# Altium PCB 0422.PcbDoc (part 1 of 3) (continued)
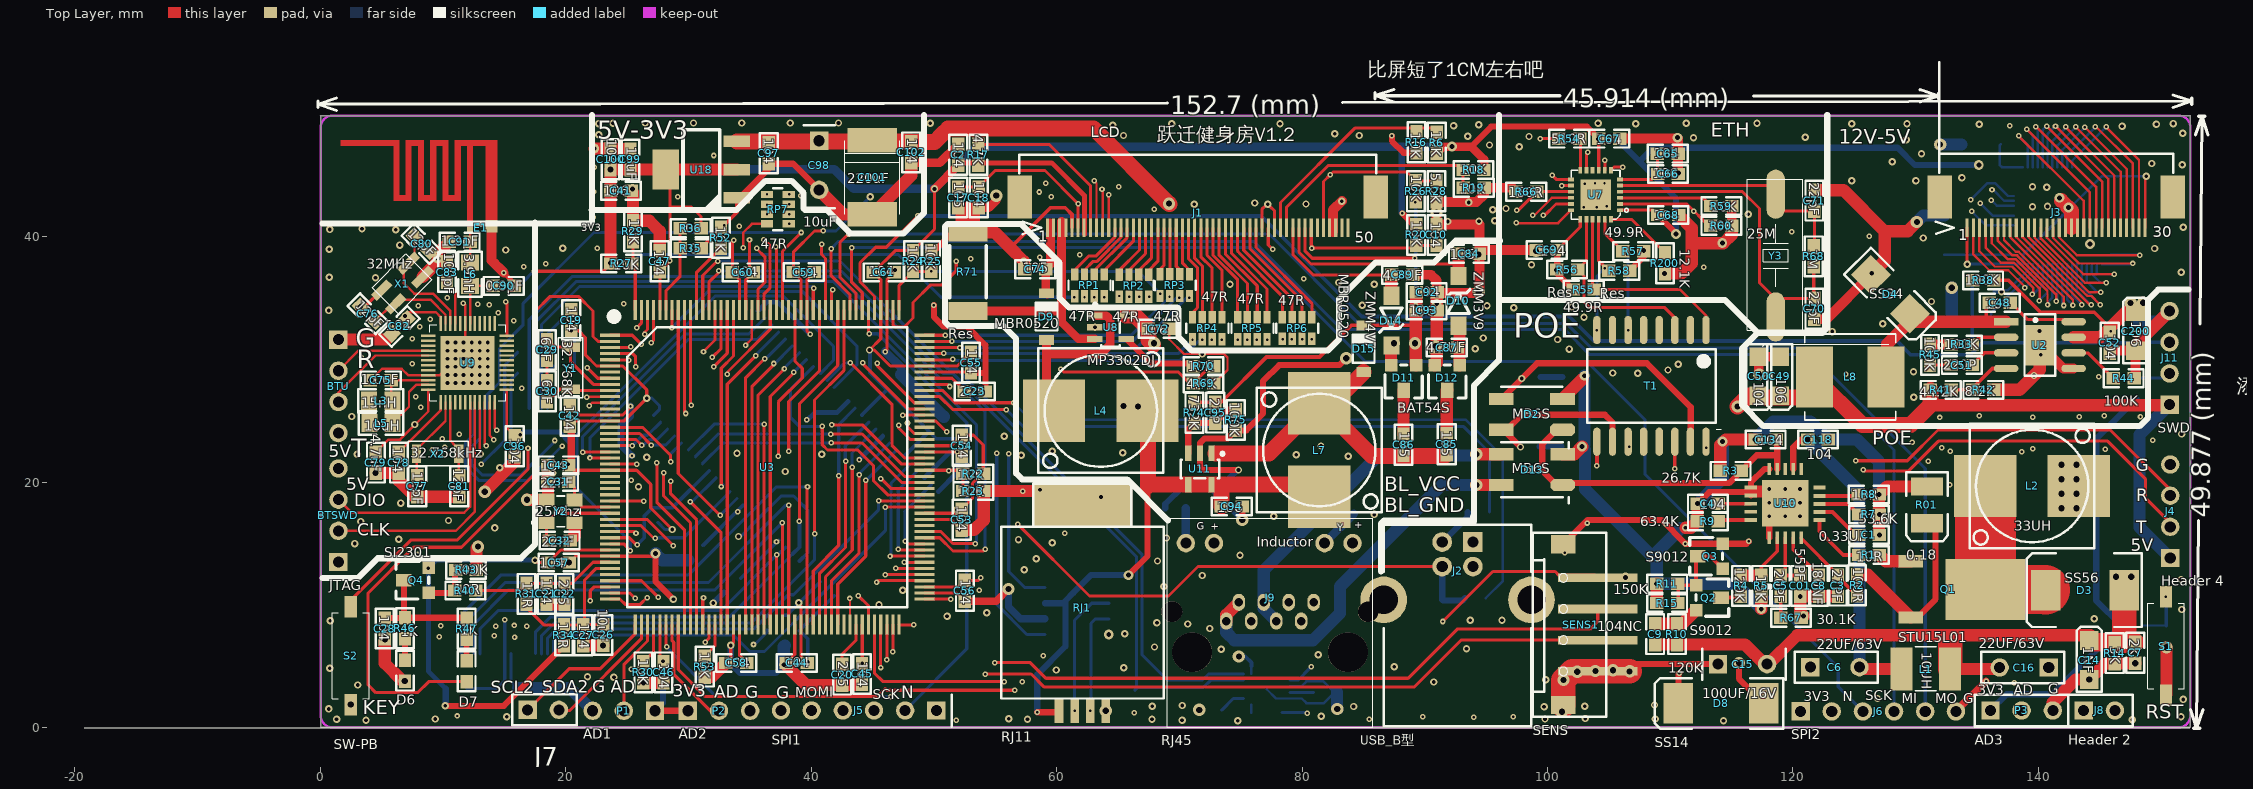
[diagram p0: Top Layer view]
## Footprints (in the part's own frame and the unit in brackets; to place one, negate y for a bottom-side part, rotate by r counter-clockwise, add the part's x,y. Pads: shape width x height; smd on the part's side, far side on the other; paste and mask are expansions set on the pad)
3.5X2.8X1.9 [mm] "SM LED; 2 C-Bend Leads; Body 3.5 x 2.8 x 1.9 mm, inc leads (LxWxH typ)"
  rect 1.5x2.6 smd: 1(-1.5,0) 2(1.5,0)
  silkscreen extent -2.65,-1.7 2.95,1.7
4*4电感 [mm]
  rect 1.8x3.5 smd: 1(-1.981,0) 2(1.981,0)
  silkscreen extent -0.84,-1.78 0.84,1.8
6*6电感 [mm]
  rect 3x5 smd: 1(-2.921,0) 2(2.921,0)
  silkscreen extent -3.71,-3.51 3.71,3.51
8P4R_0603 [mm]
  rect 1.016x0.6 smd: 1(0,0) 2(1.778,0) 3(0,-0.8) 4(1.778,-0.8) 5(0,-1.6) 6(1.778,-1.6) 7(0,-2.4) 8(1.778,-2.4)
  silkscreen extent 0.51,-2.92 1.27,0.51
0603T [mm]
  rect 1.1x1 smd: 1(0,0) 2(1.7,0)
  silkscreen extent -0.77,-0.72 2.47,0.72
1206 [mil]
  rect 60x60 smd: 1(-65,0) 2(60,0)
  silkscreen extent -105,-40 105,40
2512公制6432 [mm]
  rect 1.5x3.2 smd: 1(0,0) 2(6.4,0)
  silkscreen extent 1.1,-1.5 5.3,1.5
3215贴片晶振32.768K [mm]
  rect 0.75x1.5 smd: 1(0,0) 2(3.429,0)
  silkscreen extent -0.7,-1 4.19,1
3225晶振贴片 [mm]
  rect 2x0.7 smd: 1(1.6,0.8) 4(1.6,-0.8)
  rect 1.8x0.7 smd: 2(-1.5,0.8) 3(-1.5,-0.8)
  silkscreen extent -1.9,-1.5 2,1.5
7343E型 [mm]
  rect 2x4 smd: 1(-3.05,0) 2(3,0)
  silkscreen extent -3,-2.25 3,2.25
ANT2.4G2 [mm]
  rect 0.5x0.5 smd: 1(0,0)
  rect 1x1 smd paste+0 mask+0: 2(0.25,-1.75)
  Top Layer region: 6.8,5.75 7.3,5.75 7.3,10.55 6.8,10.55
  Top Layer region: 2.3,5 2.8,5 2.8,6 2.3,6
  Top Layer region: 6.8,3.75 7.3,3.75 7.3,5.25 6.8,5.25
  Top Layer region: 2.3,3 2.8,3 2.8,4 2.3,4
  Top Layer region: 6.8,1.75 7.3,1.75 7.3,3.25 6.8,3.25
  Top Layer region: 2.3,1 2.8,1 2.8,2 2.3,2
  Top Layer region: 0.75,-2.25 7.3,-2.25 7.3,-1.25 0.75,-1.25
  Top Layer region: 0.2,-0.25 7,-0.25 7,0.25 0.2,0.25
  Top Layer region: 6.8,-1.5 7.3,-1.5 7.3,1.25 6.8,1.25
  Top Layer region: 2.3,0.75 7,0.75 7,1.25 2.3,1.25
  Top Layer region: 2.3,1.75 7,1.75 7,2.25 2.3,2.25
  Top Layer region: 2.3,2.75 7,2.75 7,3.25 2.3,3.25
  Top Layer region: 2.3,3.75 7,3.75 7,4.25 2.3,4.25
  Top Layer region: 2.3,4.75 7,4.75 7,5.25 2.3,5.25
  Top Layer region: 2.3,5.75 7,5.75 7,6.25 2.3,6.25
CAN接口 [mm]
  rect 0.7x2 smd: 1(-1.905,-8) 2(-0.635,-8) 3(0.635,-8) 4(1.905,-8)
  rect 8x3.5 smd: 5(0.072,8.824)
  silkscreen extent -6.62,-7 6.63,10.5
CAP-SIP [mm]
  rect 1.5x1.5 hole 0.9: 1(0,0)
  round 1.5 hole 0.9: 2(4,0)
  silkscreen extent -1.27,-1.27 5.5,1.27
CL-0805 [mm]
  rect 1.3x1.5 smd: 1(-0.95,0) 2(0.95,0)
  silkscreen extent -1.82,-0.97 1.82,0.97
DIODE_ZMMx [mm]
  rect 1.5x1.3 smd: 1(-2.032,0) 2(2.032,0)
  silkscreen extent -1.02,-0.95 0.95,0.95
FPC-TOP30 [mm]
  rect 0.25x1.5 smd: 1(0.003,0) 2(0.503,0) 3(1.003,0) 4(1.503,0) 5(2.003,0) 6(2.503,0) 7(3.003,0) 8(3.503,0) 9(4.003,0) 10(4.503,0) 11(5.003,0) 12(5.503,0) 13(6.003,0) 14(6.503,0) 15(7.003,0) 16(7.503,0) 17(8.003,0) 18(8.503,0) 19(9.003,0) 20(9.503,0) 21(10.003,0) 22(10.503,0) 23(11.003,0) 24(11.503,0) 25(12.003,0) 26(12.503,0) 27(13.003,0) 28(13.503,0) 29(14.003,0) 30(14.503,0)
  rect 2x3.5 smd: A(-2.25,2.5) B(16.768,2.5)
  silkscreen extent -2.54,-0.5 16.81,6
FPC-TOP50 [mm]
  rect 0.25x1.5 smd: 1(0,0) 2(0.5,0) 3(1,0) 4(1.5,0) 5(2,0) 6(2.5,0) 7(3,0) 8(3.5,0) 9(4,0) 10(4.5,0) 11(5,0) 12(5.5,0) 13(6,0) 14(6.5,0) 15(7,0) 16(7.5,0) 17(8,0) 18(8.5,0) 19(9,0) 20(9.5,0) 21(10,0) 22(10.5,0) 23(11,0) 24(11.5,0) 25(12,0) 26(12.5,0) 27(13,0) 28(13.5,0) 29(14,0) 30(14.5,0) 31(15,0) 32(15.5,0) 33(16,0) 34(16.5,0) 35(17,0) 36(17.5,0) 37(18,0) 38(18.5,0) 39(19,0) 40(19.5,0) 41(20,0) 42(20.5,0) 43(21,0) 44(21.5,0) 45(22,0) 46(22.5,0) 47(23,0) 48(23.5,0) 49(24,0) 50(24.5,0)
  rect 2x3.5 smd: A(-2.25,2.5) B(26.75,2.5)
  silkscreen extent -2.29,-0.5 26.8,5.97
HDR1X2 [mm]
  rect 1.5x1.5 hole 0.9: 1(0,0)
  round 1.5 hole 0.9: 2(2.54,0)
  silkscreen extent -1.27,-1.27 4,1.27
HDR1X3 [mm]
  rect 1.5x1.5 hole 0.9: 1(0,0)
  round 1.5 hole 0.9: 2(2.54,0) 3(5.08,0)
HDR1X4 [mm] "Connector; Header; 4 Position"
  rect 1.5x1.5 hole 0.9: 1(0,0)
  round 1.5 hole 0.9: 2(2.54,0) 3(5.08,0) 4(7.62,0)
HDR1X6 [mm]
  rect 1.5x1.5 hole 0.9: 1(0,0)
  round 1.5 hole 0.9: 2(2.54,0) 3(5.08,0) 4(7.62,0) 5(10.16,0) 6(12.66,0)
  silkscreen extent -1.27,-1.27 -1.27,1.27
KEY3*6 [mm]
  rect 1.75x1 smd: 1(4,0) 2(-4,0)
  silkscreen extent -3.5,-1.5 3.5,1.5
L10*10 [mm]
  rect 5.08x5.08 smd: 1(-3.838,0.968) 2(3.782,0.968)
  silkscreen extent -5.11,-4.11 5.05,6.05
LQFP176 [mm]
  rect 1.65x0.254 smd: 1(0,0) 2(0,-0.5) 3(0,-1) 4(0,-1.5) 5(0,-2) 6(0,-2.5) 7(0,-3) 8(0,-3.5) 9(0,-4) 10(0,-4.5) 11(0,-5) 12(0,-5.5) 13(0,-6) 14(0,-6.5) 15(0,-7) 16(0,-7.5) 17(0,-8) 18(0,-8.5) 19(0,-9) 20(0,-9.5) 21(0,-10) 22(0,-10.5) 23(0,-11) 24(0,-11.5) 25(0,-12) 26(0,-12.5) 27(0,-13) 28(0,-13.5) 29(0,-14) 30(0,-14.5) 31(0,-15) 32(0,-15.5) 33(0,-16) 34(0,-16.5) 35(0,-17) 36(0,-17.5) 37(0,-18) 38(0,-18.5) 39(0,-19) 40(0,-19.5) 41(0,-20) 42(0,-20.5) 43(0,-21) 44(0,-21.5) 89(25.631,-21.5) 90(25.631,-21) 91(25.631,-20.5) 92(25.631,-20) 93(25.631,-19.5) 94(25.631,-19) 95(25.631,-18.5) 96(25.631,-18) 97(25.631,-17.5) 98(25.631,-17) 99(25.631,-16.5) 100(25.631,-16) 101(25.631,-15.5) 102(25.631,-15) 103(25.631,-14.5) 104(25.631,-14) 105(25.631,-13.5) 106(25.631,-13) 107(25.631,-12.5) 108(25.631,-12) 109(25.631,-11.5) 110(25.631,-11) 111(25.631,-10.5) 112(25.631,-10) 113(25.631,-9.5) 114(25.631,-9) 115(25.631,-8.5) 116(25.631,-8) 117(25.631,-7.5) 118(25.631,-7) 119(25.631,-6.5) 120(25.631,-6) 121(25.631,-5.5) 122(25.631,-5) 123(25.631,-4.5) 124(25.631,-4) 125(25.631,-3.5) 126(25.631,-3) 127(25.631,-2.5) 128(25.631,-2) 129(25.631,-1.5) 130(25.631,-1) 131(25.631,-0.5) 132(25.631,0)
  rect 0.254x1.65 smd: 45(2.065,-23.566) 46(2.566,-23.566) 47(3.066,-23.566) 48(3.565,-23.566) 49(4.066,-23.566) 50(4.565,-23.566) 51(5.066,-23.566) 52(5.565,-23.566) 53(6.066,-23.566) 54(6.565,-23.566) 55(7.066,-23.566) 56(7.565,-23.566) 57(8.066,-23.566) 58(8.565,-23.566) 59(9.066,-23.566) 60(9.565,-23.566) 61(10.066,-23.566) 62(10.565,-23.566) 63(11.066,-23.566) 64(11.565,-23.566) 65(12.066,-23.566) 66(12.565,-23.566) 67(13.066,-23.566) 68(13.565,-23.566) 69(14.066,-23.566) 70(14.565,-23.566) 71(15.065,-23.566) 72(15.566,-23.566) 73(16.065,-23.566) 74(16.566,-23.566) 75(17.065,-23.566) 76(17.566,-23.566) 77(18.065,-23.566) 78(18.566,-23.566) 79(19.065,-23.566) 80(19.566,-23.566) 81(20.065,-23.566) 82(20.566,-23.566) 83(21.065,-23.566) 84(21.566,-23.566) 85(22.065,-23.566) 86(22.566,-23.566) 87(23.065,-23.566) 88(23.566,-23.566) 133(23.566,2.065) 134(23.065,2.065) 135(22.566,2.065) 136(22.065,2.065) 137(21.566,2.065) 138(21.065,2.065) 139(20.566,2.065) 140(20.065,2.065) 141(19.566,2.065) 142(19.065,2.065) 143(18.566,2.065) 144(18.065,2.065) 145(17.566,2.065) 146(17.065,2.065) 147(16.566,2.065) 148(16.065,2.065) 149(15.566,2.065) 150(15.066,2.065) 151(14.565,2.065) 152(14.066,2.065) 153(13.565,2.065) 154(13.066,2.065) 155(12.565,2.065) 156(12.066,2.065) 157(11.565,2.065) 158(11.066,2.065) 159(10.565,2.065) 160(10.066,2.065) 161(9.565,2.065) 162(9.066,2.065) 163(8.565,2.065) 164(8.066,2.065) 165(7.565,2.065) 166(7.066,2.065) 167(6.565,2.065) 168(6.066,2.065) 169(5.565,2.065) 170(5.066,2.065) 171(4.565,2.065) 172(4.066,2.065) 173(3.565,2.065) 174(3.066,2.065) 175(2.566,2.065) 176(2.065,2.065)
  silkscreen extent 0.04,-22.15 24.22,1.82
QFN20-0.5BSC-PAD [mm]
  rect 2.6x2.6 smd: 0(-1.25,-1.9)
  rect 0.5x0.3 smd: 1(-3.15,-0.65) 2(-3.15,-1.15) 3(-3.15,-1.65) 4(-3.15,-2.15) 5(-3.15,-2.65) 6(-3.15,-3.15) 13(0.65,-3.15) 14(0.65,-2.65) 15(0.65,-2.15) 16(0.65,-1.65) 17(0.65,-1.15) 18(0.65,-0.65)
  rect 0.3x0.5 smd: 7(-2.5,-3.8) 8(-2,-3.8) 9(-1.5,-3.8) 10(-1,-3.8) 11(-0.5,-3.8) 12(0,-3.8) 19(0,0) 20(-0.5,0) 21(-1,0) 22(-1.5,0) 23(-2,0) 24(-2.5,0)
  silkscreen extent -3.25,-3.9 0.75,0.1
QFN20-0.65BSC-PAD [mm]
  rect 3.8x3.8 smd: 0(2.8,-1.3)
  rect 1x0.3 smd: 1(0,0) 2(0,-0.65) 3(0,-1.3) 4(0,-1.95) 5(0,-2.6) 11(5.6,-2.6) 12(5.6,-1.95) 13(5.6,-1.3) 14(5.6,-0.65) 15(5.6,0)
  rect 0.3x1 smd: 6(1.5,-4.1) 7(2.162,-4.1) 8(2.825,-4.1) 9(3.487,-4.1) 10(4.15,-4.1) 16(4.15,1.5) 17(3.5,1.5) 18(2.85,1.5) 19(2.2,1.5) 20(1.5,1.5)
QFN24 [mm]
  rect 0.5x0.3 smd: 1(-0.75,-0.75) 2(-0.75,-1.25) 3(-0.75,-1.75) 4(-0.75,-2.25) 5(-0.75,-2.75) 6(-0.75,-3.25) 13(3.25,-3.25) 14(3.25,-2.75) 15(3.25,-2.25) 16(3.25,-1.75) 17(3.25,-1.25) 18(3.25,-0.75)
  rect 0.3x0.5 smd: 7(0,-4) 8(0.5,-4) 9(1,-4) 10(1.5,-4) 11(2,-4) 12(2.5,-4) 19(2.5,0) 20(2,0) 21(1.5,0) 22(1,0) 23(0.5,0) 24(0,0)
  rect 2.5x2.5 smd: 25(1.25,-2)
  silkscreen extent -1.42,-4 3.23,0.01
QFN48 [mm]
  rect 1.2x0.2 smd: 1(-3.2,2.2) 2(-3.2,1.8) 3(-3.2,1.4) 4(-3.2,1) 5(-3.2,0.6) 6(-3.2,0.2) 7(-3.2,-0.2) 8(-3.2,-0.6) 9(-3.2,-1) 10(-3.2,-1.4) 11(-3.2,-1.8) 12(-3.2,-2.2) 25(3.2,-2.2) 26(3.2,-1.8) 27(3.2,-1.4) 28(3.2,-1) 29(3.2,-0.6) 30(3.2,-0.2) 31(3.2,0.2) 32(3.2,0.6) 33(3.2,1) 34(3.2,1.4) 35(3.2,1.8) 36(3.2,2.2)
  rect 0.2x1.2 smd: 13(-2.2,-3.2) 14(-1.8,-3.2) 15(-1.4,-3.2) 16(-1,-3.2) 17(-0.6,-3.2) 18(-0.2,-3.2) 19(0.2,-3.2) 20(0.6,-3.2) 21(1,-3.2) 22(1.4,-3.2) 23(1.8,-3.2) 24(2.2,-3.2) 37(2.2,3.2) 38(1.8,3.2) 39(1.4,3.2) 40(1,3.2) 41(0.6,3.2) 42(0.2,3.2) 43(-0.2,3.2) 44(-0.6,3.2) 45(-1,3.2) 46(-1.4,3.2) 47(-1.8,3.2) 48(-2.2,3.2)
  rect 4.4x4.4 smd: 49(0,0)
  Top Layer pour cut-out: -3,3 3,3 3,-3 -3,-3
  silkscreen extent -3.1,-3.1 3.1,3.1
QFN68-0.4mm [mm]
  rect 0.85x0.2 smd: 1(-3.95,3.2) 2(-3.95,2.8) 3(-3.95,2.4) 4(-3.95,2) 5(-3.95,1.6) 6(-3.95,1.2) 7(-3.95,0.8) 8(-3.95,0.4) 9(-3.95,0) 10(-3.95,-0.4) 11(-3.95,-0.8) 12(-3.95,-1.2) 13(-3.95,-1.6) 14(-3.95,-2) 15(-3.95,-2.4) 16(-3.95,-2.8) 17(-3.95,-3.2) 35(3.95,-3.2) 36(3.95,-2.8) 37(3.95,-2.4) 38(3.95,-2) 39(3.95,-1.6) 40(3.95,-1.2) 41(3.95,-0.8) 42(3.95,-0.4) 43(3.95,0) 44(3.95,0.4) 45(3.95,0.8) 46(3.95,1.2) 47(3.95,1.6) 48(3.95,2) 49(3.95,2.4) 50(3.95,2.8) 51(3.95,3.2)
  rect 0.2x0.85 smd: 18(-3.2,-3.95) 19(-2.8,-3.95) 20(-2.4,-3.95) 21(-2,-3.95) 22(-1.6,-3.95) 23(-1.2,-3.95) 24(-0.8,-3.95) 25(-0.4,-3.95) 26(0,-3.95) 27(0.4,-3.95) 28(0.8,-3.95) 29(1.2,-3.95) 30(1.6,-3.95) 31(2,-3.95) 32(2.4,-3.95) 33(2.8,-3.95) 34(3.2,-3.95) 52(3.2,3.95) 53(2.8,3.95) 54(2.4,3.95) 55(2,3.95) 56(1.6,3.95) 57(1.2,3.95) 58(0.8,3.95) 59(0.4,3.95) 60(0,3.95) 61(-0.4,3.95) 62(-0.8,3.95) 63(-1.2,3.95) 64(-1.6,3.95) 65(-2,3.95) 66(-2.4,3.95) 67(-2.8,3.95) 68(-3.2,3.95)
  rect 6x6 smd: 69(0,0)
  silkscreen extent -5.07,-4 4,4
RJ45 [mm]
  round 1.7 hole 1.7: 0(-5.791,-1.448) 0(10.211,-1.448)
  round 3.25 hole 3.25: 0(-4.14,1.854) 0(8.56,1.854)
  oval 1x1.4 hole 0.7: 1(-1.346,-2.21) 2(-0.33,-0.686) 3(0.686,-2.21) 4(1.702,-0.686) 5(2.718,-2.21) 6(3.734,-0.686) 7(4.75,-2.21) 8(5.766,-0.686)
  round 1.5 hole 0.9: 9(6.782,-7.036) 10(9.068,-7.036) 11(-2.235,-7.036) 12(-4.521,-7.036)
  silkscreen extent -6.17,-9.07 10.59,7.95
SMB [mm] "DO-214-AA/SMB; 2 C-Bend Leads; Body 5.3 x 3.6 mm, inc. leads (LxW)"
  rect 2.3x2.3 smd: 1(-2.25,0) 2(2.25,0)
  silkscreen extent -3.8,-1.55 4.1,1.55
SMC#1 [mm] "DO-214-AB/SMC; 2 C-Bend Leads; Body 7.9 x 5.9 mm, inc. leads (LxW)"
  rect 2.4x3.3 smd: 1(-3.2,0) 2(3.2,0)
  silkscreen extent -4.62,-3 4.75,3
SMC#2 [mm] "DO-214-AB/SMC; 2 C-Bend Leads; Body 7.9 x 5.9 mm, inc. leads (LxW)"
  rect 2.4x3.3 smd: 1(-3.475,0) 2(3.475,0)
  silkscreen extent -5.07,-2.05 5.43,2.05
SO-8 [mm]
  rect 0.6x2.2 smd: 1(-1.905,-2.6) 2(-0.635,-2.6) 3(0.635,-2.6) 4(1.905,-2.6) 5(1.905,2.6) 6(0.635,2.6) 7(-0.635,2.6) 8(-1.905,2.6)
  silkscreen extent -2.5,-1.1 2.5,1.1
SOD-123 [mm]
  rect 0.8x1.2 smd: 1(1.905,0) 2(-1.905,0)
  silkscreen extent -1.14,-0.89 1.14,0.89
SOIC8-PAD [mm] "SOIC, 8-Leads, Body 4.90x3.90mm, Pitch 1.27mm, IPC Medium Density"
  rect 2x0.6 smd: 1(-2.75,1.905)
  oval 2x0.6 smd: 2(-2.75,0.635) 3(-2.75,-0.635) 4(-2.75,-1.905) 5(2.75,-1.905) 6(2.75,-0.635) 7(2.75,0.635) 8(2.75,1.905)
  rect 2.4x3.3 smd: 9(0,0)
  silkscreen extent -1.25,-2.5 1.25,2.5
SOIC16 [mm] "SOIC, 16-Leads, Body 10.30x7.50mm, Pitch 1.27mm, IPC Medium Density"
  oval 2.3x0.6 smd: 1(-4.55,4.445) 2(-4.55,3.175) 3(-4.55,1.905) 4(-4.55,0.635) 5(-4.55,-0.635) 6(-4.55,-1.905) 7(-4.55,-3.175) 8(-4.55,-4.445) 9(4.55,-4.445) 10(4.55,-3.175) 11(4.55,-1.905) 12(4.55,-0.635) 13(4.55,0.635) 14(4.55,1.905) 15(4.55,3.175) 16(4.55,4.445)
  silkscreen extent -3,-5.25 3,5.25
SOP-4 [mm]
  oct 2x1 smd: 1(0,0)
  rect 2x1 smd: 2(0,-2.5) 3(5,-2.5) 4(5,0)
  silkscreen extent -0.5,-3.5 5,1.5
SOT-23 [mil]
  rect 40x40 smd: 1(-40,-40) 2(40,-40)
  rect 40x50 smd: 3(0,40)
  silkscreen extent -60,-40 60,65
SOT-23-5 [mil]
  rect 50x20 smd: 1(0,0) 2(0,-37.4) 3(0,-74.8) 4(100,-74.8) 5(100,0)
  silkscreen extent 0,-99 80,35
SOT-223 [mm]
  rect 0.95x2.15 smd: 1(-2.3,-2.9) 2(0,-2.9) 3(2.3,-2.9)
  rect 3.25x2.15 smd: 4(0,2.9)
  silkscreen extent -3.25,-1.5 3.25,1.5, body extent -3.22,-3.45 3.28,3.55, height 1.87
TO-252AA(D-PAK) [mm]
  rect 1x2 smd: 1(0,0) 2(4.58,0)
  rect 5x6.5 smd: 3(2.29,6.1)
TSOP48 [mm]
  rect 2x0.25 smd: 1(0,0) 2(0,-0.5) 3(0,-1) 4(0,-1.5) 5(0,-2) 6(0,-2.5) 7(0,-3) 8(0,-3.5) 9(0,-4) 10(0,-4.5) 11(0,-5) 12(0,-5.5) 13(0,-6) 14(0,-6.5) 15(0,-7) 16(0,-7.5) 17(0,-8) 18(0,-8.5) 19(0,-9) 20(0,-9.5) 21(0,-10) 22(0,-10.5) 23(0,-11) 24(0,-11.5) 25(20,-11.5) 26(20,-11) 27(20,-10.5) 28(20,-10) 29(20,-9.5) 30(20,-9) 31(20,-8.5) 32(20,-8) 33(20,-7.5) 34(20,-7) 35(20,-6.5) 36(20,-6) 37(20,-5.5) 38(20,-5) 39(20,-4.5) 40(20,-4) 41(20,-3.5) 42(20,-3) 43(20,-2.5) 44(20,-2) 45(20,-1.5) 46(20,-1) 47(20,-0.5) 48(20,0)
  silkscreen extent 1.83,-11.75 18.17,0.25
TSOP54 [mm]
  rect 2x0.4 smd: 1(0,0) 2(0,-0.8) 3(0,-1.6) 4(0,-2.4) 5(0,-3.2) 6(0,-4) 7(0,-4.8) 8(0,-5.6) 9(0,-6.4) 10(0,-7.2) 11(0,-8) 12(0,-8.8) 13(0,-9.6) 14(0,-10.4) 15(0,-11.2) 16(0,-12) 17(0,-12.8) 18(0,-13.6) 19(0,-14.4) 20(0,-15.2) 21(0,-16) 22(0,-16.8) 23(0,-17.6) 24(0,-18.4) 25(0,-19.2) 26(0,-20) 27(0,-20.8) 28(12,-20.8) 29(12,-20) 30(12,-19.2) 31(12,-18.4) 32(12,-17.6) 33(12,-16.8) 34(12,-16) 35(12,-15.2) 36(12,-14.4) 37(12,-13.6) 38(12,-12.8) 39(12,-12) 40(12,-11.2) 41(12,-10.4) 42(12,-9.6) 43(12,-8.8) 44(12,-8) 45(12,-7.2) 46(12,-6.4) 47(12,-5.6) 48(12,-4.8) 49(12,-4) 50(12,-3.2) 51(12,-2.4) 52(12,-1.6) 53(12,-0.8) 54(12,0)
  silkscreen extent 1.83,-21.2 10.16,0.4
USB2.5-2H4D [mm] "USB1.1, Type B_方口插座"
  rect 1.6x1.6 hole 0.92: 1(-1,1.25)
  round 1.6 hole 0.92: 2(-1,-1.25) 3(1,-1.25) 4(1,1.25)
  round 3.8 hole 2.3: 5(3.71,6.02) 6(3.71,-6.02)
  silkscreen extent -3.18,-6.02 13.99,6.02, body extent -2.41,-6.02 13.99,6.02, height 11.1
X-HC49-SMT [mm] "贴片晶振"
  oval 4x1.5 smd: 1(0,0) 2(10,0)
  silkscreen extent -1.2,-2.3 11.1,2.2, body extent -1.2,-2.3 11.1,2.2, height 5.18
XTAL3225 [mm]
  rect 1.3x1.05 smd: 1(0,0) 2(2.3,0) 3(2.3,1.85) 4(0,1.85)
  silkscreen extent -1.14,-0.33 2.74,2.17
传感器接口 [mm]
  rect 0.7x6.5 smd: 1(3.81,2.3) 2(1.27,2.3) 3(-1.27,2.3) 4(-3.81,2.3)
  rect 1.5x2 smd: 5(-6.553,-0.5) 5(6.553,-0.5)
  silkscreen extent -7.5,-3 7.5,3

## Part data
BTSWD BTU: library part CON4, "Connector"
C01 C1 C2 C3 C4 C5 C6 C8 C9 C10 C11 C12 C13 C14 C15 C16 C17 C18 C24 C25 C33 C34 C35 C36 C37 C38 C39 C40 C48 C49 C50 C51 C52 C62 C63 C64 C65 C66 C67 C68 C69 C72 C74 C84 C85 C86 C87 C88 C89 C92 C93 C94 C95 C97 C99 C100 C118 C200: library part Cap, "Capacitor"
C7 R01 R1 R2 R3 R4 R5 R6 R7 R8 R9 R10 R11 R12 R13 R14 R15 R16 R17 R18 R19 R20 R21 R22 R23 R24 R25 R26 R27 R28 R29 R30 R31 R32 R33 R34 R35 R36 R37 R38 R39 R40 R41 R42 R43 R44 R45 R46 R47 R48 R49 R50 R51 R52 R53 R55 R56 R57 R58 R59 R60 R61 R62 R63 R64 R65 R66 R67 R68 R69 R70 R71 R74 R75: library part Res2, "Resistor"
C19 C20 C21 C22 C23 C26 C27 C28 C29 C30 C31 C32 C42 C43 C44 C45 C46 C47 C53 C54 C55 C56 C57 C58 C59 C60 C61 C70 C71 C110 C117: library part C, "电容"
C41: library part "C Pol"
C75: library part C0603-1μ0, "Capacitor, X7R, ±10%"
C76 C77 C80 C81: library part C0402-12p, "Capacitor, NP0, ±2%"
C78 C82 C96: library part C0402-100n, "Capacitor, X7R, ±10%"
C79: library part C0603-4μ7, "Capacitor, X5R, ±10%"
C83: library part C0402-100p, "Capacitor, NP0, ±5%"
C90 C91: library part C0402-0.8p, "Capacitor, NP0, ±5%"
C98: library part "Cap Pol2", "Polarized Capacitor (Axial)"
C101: library part CAP
C102: library part C
C116: library part C, "无极性贴片电容"
D3: library part "Diode 10TQ035", "Schottky Rectifier"
D4: library part "D Schottky", "Schottky Diode"
D6 D7: library part LED3, "Typical BLUE SiC LED"
D8: library part Diode, "Default Diode"
D9 D15: library part "Diode 1N5400", "3 Amp General Purpose Rectifier"
D10: library part ZMM3V6, "ZMM3V6封装为LL34"
D11 D12: "双肖特基二极管"
D14: library part ZMM3V6, "ZMM3V6"
E1: "Generic Antenna"
J1: library part AT070TN92, "7' TFTLCD"
J2: library part USB4
J3: library part HEADER30
J4: "Header, 4-Pin"
J5 J6: library part "Header 6", "Header, 6-Pin"
J7 J8: "Header, 2-Pin"
J11: library part "Header 4", "Header, 4-Pin"
L1 L2: library part Inductor, "Inductor"
L3: library part L0402-15n, "High frequency chip inductor ±10%"
L5: library part L0603-10μ, "Chip inductor, IDC,min = 50 mA, ±20%"
L6: library part L0402-3n9, "High frequency chip inductor ±5%"
P1 P2 P3: library part "Header 3_1", "Header, 3-Pin"
Q1: library part MOSFET-N, "N-Channel MOSFET"
Q2 Q3: "NPN General Purpose Amplifier"
Q4: library part MOSFET-P, "P-Channel MOSFET"
R54 R73 R200: library part R
R81 R82: library part R, "贴片电阻"
RJ1 SENS1: library part SIP5
RP1 RP2 RP3 RP4 RP5 RP6 RP7: library part R_PACK, "排阻"
S1 S2: "Switch"
U1: "CAN总线收发器"
U2: library part MP1584EN顺序
U4: library part K9F2G08U0C, "256MB NAND FLASH"
U5: library part IS42S16160B, "32MB SDRAM"
U7: library part LAN8720
U8: library part MP3302, "LCD背光IC"
U9: library part nRF52832_QFAA, "Multi-protocol Bluetooth Low Energy, ANT and 2.4GHz proprietary system-on-chip"
U11: "DC DC Step Up IC"
U18: library part 11
X1: library part XTAL_SMD2016_32MHz_8pF_General, "XTAL SMD 2016, 32MHz, Cl=8pF, Total Tol: ±40ppm"
X2: library part XTAL_SMD3215_32.768kHz_9pF_General, "XTAL SMD 3215, 32.768kHz, Cl=9pF, Total Tol: ±50ppm"
Y1 Y3: library part XTAL, "Crystal Oscillator"
Y2: library part XTAL_3225, "3225贴片无源晶振"

## Free pads (board coordinates)
  round 1 on Top Solder: 1(23.675,41.925)

## Via types
v1: diameter 0.45, hole 0.2, Top Layer to Bottom Layer, 365 vias
v2: diameter 0.6, hole 0.3, Top Layer to Bottom Layer, 235 vias
v3: diameter 1, hole 0.5, Top Layer to Bottom Layer, 60 vias
v4: diameter 0.8, hole 0.4, Top Layer to Bottom Layer, 40 vias
v5: diameter 0.5, hole 0.3, Top Layer to Bottom Layer, 36 vias

## Nets (pads, with @x,y where several pads share a name; then routed paths per layer and width w, separated by ;. In a path a pad name is that pad's centre, name@x,y a point inside that pad or via, vN(x,y) a via of type N, cw(c..) or ccw(c..) an arc to the next point about the centre after c; other vN are vias at no path point)
3V3: C2.2 C19.1 C34.2 C35.2 C36.2 C37.2 C38.2 C39.2 C40.2 C41.1 C42.2 C43.2 C44.2 C45.2 C46.2 C47.2 C53.2 C54.2 C55.2 C56.2 C57.2 C58.2 C59.2 C60.2 C61.2 C64.2 C67.2 C68.2 C69.2 C79.1 C82.1 C96.1 C99.2 C100.2 J1.7 J5.1 J6.1 P1.1 P2.1 P3.1 Q4.2 R6.2 R17.1 R18.2 R20.1 R21.2 R22.2 R24.2 R27.2 R32.2 R34.1 R36.1 R37.1 R39.2 R48.2 R49.1 R51.2 R55.1 R56.1 R57.1 R58.1 R65.1 R81.1 R82.1 SENS1.4 U3.6 U3.15 U3.23 U3.36 U3.49 U3.62 U3.72 U3.82 U3.91 U3.103 U3.114 U3.127 U3.136 U3.149 U3.159 U3.172 U5.1 U5.3 U5.9 U5.14 U5.27 U5.43 U5.49 U6.33 U7.1 U7.9 U7.19 U9.13 U9.36 U9.48 U12.8 U12.13 U18.2 U18.4 | length 693.8
  Top Layer w0.2: C79.1@4.525,22.45 5.55,23.475 6.5,23.475 8.8,25.775 U9.48@8.8,27.525 ; C82.1@7.05,33.3 7.05,33.775 7.125,33.85 9.425,33.85 9.8,33.475 U9.36@9.8,32.925 ; U9.13@15.2,27.525 15.2,24.425 15.75,23.875 v2(16.3,23.875)
  Top Layer w0.25: v2(20.45,32.35) 21.05,32.35 21.6,31.8 21.6,30.375 22.5,29.475 U3.6@23.375,29.475
  Top Layer w0.254: v2(17.5,13.65) 17.7,13.45 C57.2@18.575,13.45 19.6,14.475 U3.36@23.6,14.475 ; C43.2@20.25,21.375 20.65,20.975 U3.23@23.6,20.975 25.775,20.975 26.925,19.825 26.925,17.9 v2(28.675,16.15) ; C42.2@20.325,24.55 20.75,24.975 U3.15@23.6,24.975 24.725,24.975 v2(26.6,26.85) 26.6,27.525 24.65,29.475 U3.6@23.6,29.475 U3.6@23.375,29.475 ; C47.2@27.65,37.425 C47.2@27.65,37.15 v1(28.471,38.046) 28.492,38.067 28.492,42.425 ; C46.2@27.666,5.4 U3.49@27.666,8.409 ; U3.172@27.666,34.04 C47.2@27.666,37.134 ; U18.4@28.15,45.475 28.492,45.133 28.492,42.425 ; R36.1@31.025,40.7 31.025,41.65 30.25,42.425 28.492,42.425 ; v1(33.7,39.7) 33.575,39.575 C60.2@33.575,37.1 34.165,36.51 U3.159@34.165,34.04 ; U3.62@34.165,8.409 34.165,5.86 C58.2@34.75,5.275 ; v2(38.975,10.175) 39.166,9.984 U3.72@39.166,8.409 39.166,5.784 C44.2@39.675,5.275 ; U3.149@39.166,34.04 39.166,36.509 C59.2@38.55,37.125 38.55,38.75 40.275,40.475 v1(41,40.475) ; C45.2@44.166,5.241 U3.82@44.166,8.409 ; U3.91@49.231,11.475 52,11.475 C56.2@52.525,12 53.625,12 v1(53.825,12.2) ; U3.103@49.231,17.475 51.944,17.475 C53.2@52.269,17.8 53.15,18.681 53.15,19.906 R22.2@53.944,20.7 ; U3.114@49.231,22.975 51.419,22.975 C54.2@52.269,23.825 53.225,23.825 54.019,23.031 R22.2@54.019,20.775 ; v2(50.05,43.9) 50.05,40.625 R24.2@48.3,38.875 46.85,38.875 C61.2@45.075,37.1 45.665,36.51 U3.136@45.665,34.04 45.665,31.69 v2(44.75,30.775) 45.15,30.775 46.45,29.475 U3.127@49.231,29.475 51.9,29.475 C55.2@53.025,30.6 ; v1(91.475,8.65) 95.55,12.725 100.625,12.725 100.925,12.425 103.885,12.425 SENS1.4@104.1,12.21 ; C69.2@100.8,38.925 102.675,40.8 U7.19@102.675,41.425 ; U7.9@104.175,45.425 v4(104.175,47.975) C67.2@104.175,48 ; U7.1@105.925,42.175 108.6,42.175 C68.2@109,41.775
  Top Layer w0.3: v1(17.45,37.2) 23.05,37.2 R27.2@23.675,37.825
  Top Layer w0.4: C2.2@51.975,45.825 52.175,46.025 59.6,46.025 62.277,43.348 J1.7@62.277,40.2
  Top Layer w0.5: v2(10.175,1.773) 14.948,1.773 R34.1@19.85,6.675 ; P1.1@27.275,1.375 P2.1@29.95,1.375 ; v1(88.175,41.9) 89.075,41 R20.1@89.3,41 ; 93.775,47.35 95.4,48.975 103.2,48.975 C67.2@104.175,48 ; C69.2@100.8,38.925 100.8,37 R55.1@102.1,35.7 ; R58.1@106.7,37.225 R57.1@107.85,38.375 ; C68.2@109,41.775 110.475,40.3 v4(110.475,40.225)
  Top Layer w0.6: C43.2@20.25,21.375 20.45,21.575 20.45,24.425 C42.2@20.325,24.55
  Top Layer w0.7: v2(50.05,43.9) C2.2@51.975,45.825 ; R6.2@90.975,46.825 91.5,47.35 v4(92.225,47.35) 93.775,47.35 94.825,46.3 R18.2@94.825,45.45
  Top Layer w1: v4(23.65,37.85) C41.1@23.65,43.75 v3(23.65,45.475) U18.2@33.95,45.475
  Signal Layer 1 w0.254: v2(6.9,33.55) 6.9,25.5 v2@7.6,24.8 ; v2(7.7,24.7) v2@7.6,24.8 ; v2(16.3,23.875) 15.75,23.875 14.825,24.8 v2@7.6,24.8 ; v2(34.775,5.325) 38.975,9.525 v2(38.975,10.175) ; v2(51.875,17.75) 53,17.75 55.15,15.6 55.15,13.525 v1(53.825,12.2)
  Signal Layer 1 w0.3: v2(28.675,16.15) 31.1,18.575 33.05,18.575 v1(34.025,17.6) 36.475,15.15 v1(37.175,15.15)
  Signal Layer 1 w0.5: v4(135.15,45.85) 135.4,45.85 137,44.25 v2(137,35.525)
  Signal Layer 2 w0.254: v1(17.45,37.2) 17.45,35.35 v2(20.45,32.35) ; v1@80.375,1.225 v1(80.425,1.175)
  Signal Layer 2 w0.5: v2(44.15,5.25) 45.75,3.65 48.2,3.65 50.2,1.65 J5.1@50.2,1.4 56.95,1.4 58.8,3.25 66.325,3.25 ; v1(66.325,1.225) 66.325,3.25 ; v2(67.975,6.575) 66.325,4.925 66.325,3.25 ; v1(80.425,1.175) 80.75,1.5 80.75,3.25 ; 80.7,3.25 66.325,3.25 ; v1(80.75,4.95) 80.75,3.25 ; v1(91.475,8.65) 91.475,7.1 87.625,3.25 80.75,3.25 ; v4(100.75,37.3) 101.6,36.45 105.425,36.45 v4(107.85,38.875) 109.2,40.225 v4(110.475,40.225) ; v4(106.35,12.25) 106.35,10.15 115.175,1.325 J6.1@120.625,1.325 122.525,3.225 134.65,3.225 136.1,1.775 P3.1@136.1,1.4
  Signal Layer 2 w0.6: v2(16.3,23.875) 15.85,23.425 15.85,15.3 v2(17.5,13.65) 25.75,5.4 v2(27.925,5.4) ; v2@34.7,5.4 v2(34.775,5.325)
  Signal Layer 2 w1: v2(27.925,5.4) v2@34.7,5.4
  Bottom Layer w0.2: v2@137,35.65 137.525,35.65 139.15,37.275 U6.33@139.15,37.775
  Bottom Layer w0.254: R37.1@16.525,36.275 16.525,36.35 17.375,37.2 v1(17.45,37.2) ; v2(20.45,32.35) 20.725,32.075 R39.2@20.725,29.475 ; v2(26.6,26.85) 27.025,26.85 27.625,26.25 27.625,25.916 U5.27@27.167,25.458 ; R49.1@27.5,16.725 28.075,16.15 v2(28.675,16.15) ; v1(41,40.475) 42.025,40.475 v2(44.825,43.275) ; U12.13@78.375,1.225 80.375,1.225 v1(80.425,1.175) ; U12.8@79.025,3.875 79.675,3.875 80.675,4.875 v1(80.75,4.95)
  Bottom Layer w0.3: C37.2@31.177,14.852 34.429,18.104 U5.14@34.521,18.104 ; C36.2@34.252,12.178 U5.9@37.35,15.275 ; C35.2@37.777,9.152 38.014,9.152 U5.3@40.744,11.881 ; C34.2@39.027,7.902 C34.2@39.077,7.902 39.725,7.254 v2(39.725,5.35) ; C34.2@39.177,8.052 U5.1@41.875,10.75 ; U5.43@44.138,25.458 44.138,25.488 C39.2@46.138,27.487 ; v2(44.75,30.775) 44.8,30.725 44.8,28.921 C39.2@46.148,27.573 46.173,27.573 C40.2@49.623,24.123 50.196,23.55 v1(52.1,23.55) ; U5.49@47.532,22.064 C40.2@49.559,24.091
  Bottom Layer w0.4: R32.2@10.225,3.175 8.8,4.6 v2(8.8,13) 9.45,13.65 v2(17.5,13.65) ; v2(16.3,23.875) 16.525,24.1 19.475,24.1 20.375,23.2 20.375,21.65 v2(20.2,21.475) ; C64.2@136.449,35.525 v2(137,35.525)
  Bottom Layer w0.5: v2(10.175,1.773) 10.225,1.823 R32.2@10.225,3.175 ; P1.1@27.925,2.025 v2(27.925,5.4) ; 88.125,47.35 88.125,41.95 v1(88.175,41.9) ; v4(104.175,47.975) 105.65,47.975 110.475,43.15 v4(110.475,40.225) ; 107.525,46.15 108.636,47.261 128.539,47.261 129.95,45.85 v4(135.15,45.85) ; P3.1@136.1,1.4 137.425,2.725 141.15,2.725 R21.2@146.75,8.325 144.725,10.35 144.725,23.55 R48.2@147.975,26.8
  Bottom Layer w0.7: v3@23.6,45.5 41.875,45.5 43.475,43.9 v2(50.05,43.9) 53.5,47.35 88.125,47.35 v4(92.225,47.35)
12V: C7.2 C9.1 C14.2 C15.2 C16.2 C52.2 C200.2 D3.1 L1.2 R10.2 R14.2 R38.2 U2.7 | length 91.9
  Top Layer w0.3: R38.2@136.35,36.45 137.575,36.45 140.175,33.85 144.55,33.85 145.825,32.575 145.825,32.56 C52.2@145.825,32.225
  Top Layer w1: C9.1@108.775,6.775 R10.2@110.55,6.775 116.1,6.775 117.85,5.025 120.349,7.524 C14.2@144.225,7.524 ; L1.2@132.806,4.775 136.475,4.775 C16.2@136.75,5.05 ; U2.7@142.875,31.81 145.075,31.81 145.825,32.56 147.164,33.899 C200.2@147.925,33.899
  Top Layer w1.5: C14.2@144.299,6.95 C7.2@147.9,6.95
  Top Layer w2: L1.2@132.806,4.775 132.806,6.85 ; 147,7.1 D3.1@147,11.2
  Signal Layer 1 w2: 146.925,12.1 146.925,33.575 147.975,34.625 v3(148.55,34.625)
  other v1: 145.9,32.3
  other v3: 146.325,12.3 147.575,12.3 147.525,34.6
52832RESET: U3.8 U9.24 | length 13.9
  Top Layer w0.254: v1(15.1,34.7) 15.2,34.6 U9.24@15.2,31.925 ; v1(21.751,29.326) 21.751,29.324 22.6,28.475 U3.8@23.6,28.475
  Signal Layer 2 w0.254: v1(15.1,34.7) 16.377,34.7 v1(21.751,29.326)
+5V: BTSWD.4 BTU.4 C49.2 C50.2 C72.2 C94.2 C97.2 C98.1 C101.1 C102.2 D8.2 J4.1 J11.1 L4.1 L7.1 L8.1 R41.2 RJ1.1 U1.3 U8.5 U11.4 U11.5 U18.3 | length 310.5
  Top Layer w0.5: v1(58.425,1.25) 60.07,1.25 RJ1.1@60.195,1.375 ; v4(65.85,12.425) 67.413,13.988 67.413,22.387 ; D8.2@110.675,1.975 110.675,4.375 v1(110.75,4.45)
  Top Layer w1: 131.2,26.275 150.65,26.275 J11.1@150.7,26.325
  Top Layer w1.3: U18.3@33.95,47.775 48.1,47.775 C102.2@48.15,47.725 50.062,47.725 50.723,48.386 51.164,48.827 63.025,48.827 v3(69.15,42.702) v3@69.202,42.65 ; U8.5@65.665,33.575 66.4,33.575 C72.2@67.475,32.5 67.475,31.6 v3@67.875,31.2 ; 67.413,22.387 67.438,22.362 ; L4.1@67.413,25.832 67.438,25.807 67.438,22.362 ; C94.2@73.425,18.025 73.425,19.71 73.325,19.81 ; L7.1@81.407,18.812 80.409,19.81 73.325,19.81 ; v3(115.496,26.179) 116.369,27.051 C50.2@117.225,27.051 ; C50.2@117.225,26.904 121.854,26.904 L8.1@121.854,27.75 ; L8.1@121.754,28.575 125.679,24.65 129.575,24.65 131.2,26.275 R41.2@131.2,27.525 ; 67.438,22.362 67.438,19.675 67.573,19.81 U11.4@70.725,19.81 U11.5@72.625,19.81 73.325,19.81
  Signal Layer 1 w0.5: v1(110.75,4.45) 111.475,3.725 115.925,3.725 116.625,4.425 116.625,8.9 115.496,10.029 v3(115.496,26.179)
  Signal Layer 1 w1.3: v3(65.45,26.2) 66.6,26.2 68,27.6 v3@68,31.248 ; v3(67.95,31.325) 68.027,31.248 69.023,31.248 72.925,35.15 72.925,38.927 v3(69.15,42.702)
  Signal Layer 2 w1.3: BTSWD.4@1.475,21.12 BTU.4@1.475,24.005 4.355,24.005 5.775,25.425 5.775,36.8 9.275,40.3 23.6,40.3 31.125,47.825 C98.1@40.65,47.825 ; v3@66.625,26.179 v3(115.496,26.179)
  Bottom Layer w0.5: v1(58.425,1.25) 58.425,4.325 60.725,6.625 60.725,10.325 ; U1.3@59.05,10.135 60.535,10.135 60.725,10.325 ; v4(65.85,12.425) 62.8,12.425 61.375,11 61.375,10.975 60.725,10.325
  Bottom Layer w1: J11.1@150.7,26.325 148.25,23.875 148.25,16.325 J4.1@150.75,13.825
  other v1: 65.875,33.55
  other v3: 66.625,26.175
+10.4V: C88.2 C92.2 C93.2 C95.1 D11.1 D15.2 J1.43 R26.2 R74.1 | length 46.5
  Top Layer w0.253: J1.43@80.25,40.725 80.25,38.825 80.825,38.25 v1(89.175,38.25)
  Top Layer w0.3: R74.1@71.225,26.5 71.25,26.525 C95.1@72.925,26.525 73.425,26.525 77.1,30.2 81.425,30.2 84.005,32.78 D15.2@85.025,32.78 ; D15.2@85.047,32.797 89.253,32.797
  Top Layer w1: v1(89.275,34.4) 89.275,29.557 D11.1@89.291,29.541 ; C93.2@89.3,34 C92.2@89.3,35.475
  Bottom Layer w0.3: v1(89.275,34.4) v1@89.275,42.85
  other v1: 89.225,42.825
  other v3: 89.2,31.325